# Allegro board HI3516APERB_VER_B_PCB.brd (continued)
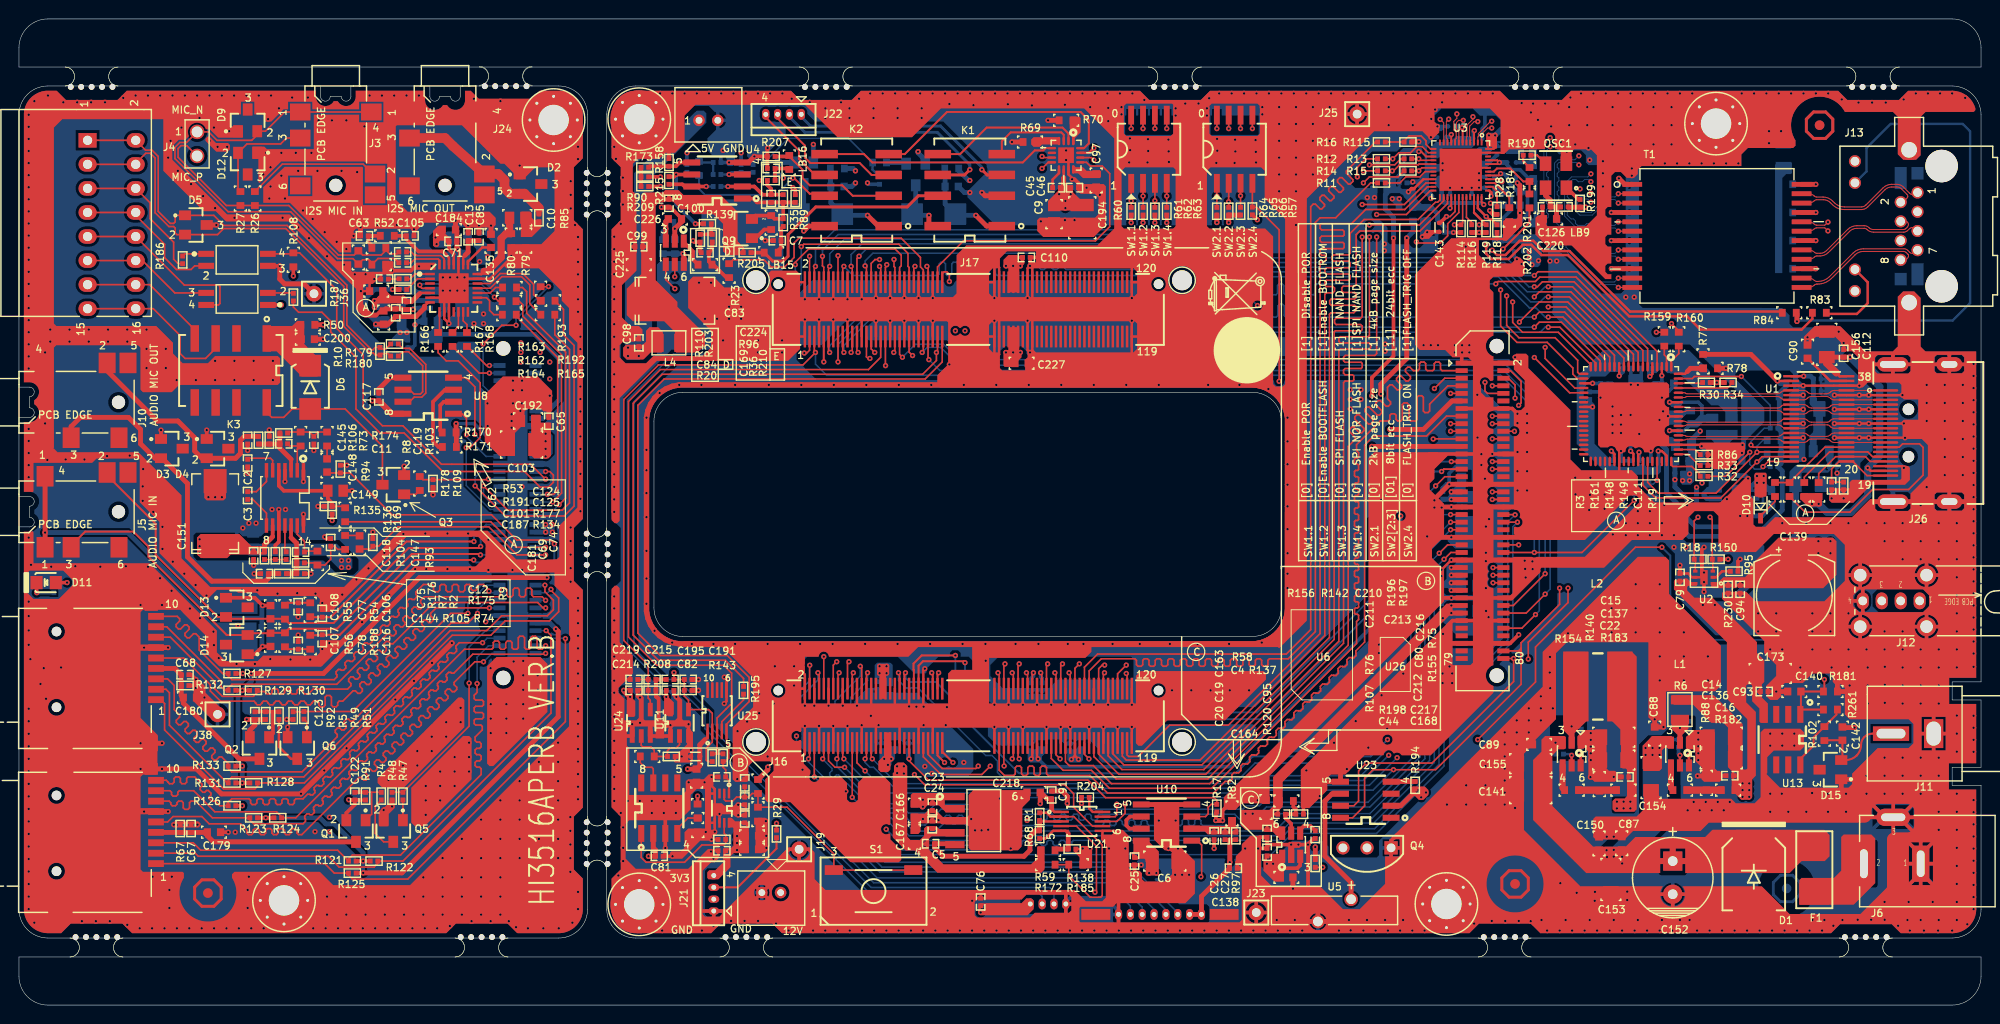
[diagram p0: board, top side]
## Routing (per net, layer and track width the routed paths; a pad name or vN(x,y) marks a point on that pad's centre or on a via; arc(x,y) is an arc through that point) (continued)
VO_DAT7: length 100.5
  TOP w0.165: v1(159.89,77.06) 160.29,77.46 164.43,77.46 172.85,69.04 U22.4 ; v1(84.04,78.02) 83.92,77.9 J17.6
  BOTTOM w0.165: v1(159.89,77.06) 158.82,77.06 156.95,78.92 130.72,78.92 127.76,81.88 86.11,81.88 84.04,79.82 v1(84.04,78.02)
VO_DAT8: length 96.3
  TOP w0.165: v1(159.89,68.4) 163.62,64.67 U22.23 ; v1(90.8,78.02) 90.92,77.9 J17.34
  ART04 w0.165: v1(90.8,78.02) 91.39,77.44 99.19,77.44 105.03,71.6 137.67,71.6 137.83,71.43 137.83,71 138,70.83 138.33,70.83 138.49,71 138.49,71.43 138.66,71.6 138.99,71.6 139.16,71.43 139.16,71 139.32,70.83 139.65,70.83 139.82,71 139.82,71.43 139.98,71.6 140.31,71.6 140.48,71.43 140.48,71 140.64,70.83 140.97,70.83 141.14,71 141.14,71.43 141.3,71.6 141.63,71.6 141.8,71.43 141.8,71 141.96,70.83 142.29,70.83 142.46,71 142.46,71.43 142.62,71.6 142.95,71.6 143.12,71.43 143.12,71 143.28,70.83 143.61,70.83 143.78,71 143.78,71.43 143.94,71.6 144.27,71.6 144.44,71.43 144.44,71 144.6,70.83 144.93,70.83 145.1,71 145.1,71.43 145.26,71.6 145.59,71.6 145.76,71.43 145.76,71 145.92,70.83 146.25,70.83 146.42,71 146.42,71.43 146.58,71.6 146.91,71.6 147.08,71.43 147.08,71 147.25,70.83 147.58,70.83 147.74,71 147.74,71.43 147.91,71.6 148.24,71.6 148.4,71.43 148.4,71 148.57,70.83 148.9,70.83 149.06,71 149.06,71.43 149.23,71.6 149.56,71.6 149.72,71.43 149.72,71 149.89,70.83 150.22,70.83 150.38,71 150.38,71.43 150.55,71.6 150.88,71.6 151.04,71.43 151.04,71 151.21,70.83 151.54,70.83 151.7,71 151.7,71.43 151.87,71.6 152.2,71.6 152.36,71.43 152.36,71 152.53,70.83 152.86,70.83 153.02,71 153.02,71.43 153.19,71.6 153.52,71.6 153.68,71.43 153.68,71 153.85,70.83 154.18,70.83 154.34,71 154.34,71.43 154.51,71.6 156.69,71.6 v1(159.89,68.4)
VO_DAT9/SFC_NAND_BOOT_PIN0: length 102.4
  TOP w0.165: U22.20 164.43,66.17 163.96,66.64 163.96,67.29 161.25,69.99 158.07,69.99 156.34,71.72 v1(156.34,75.53) ; R66.2 v1(128.9,85.47) SW2.3 ; J17.4 v1(83.42,79.09)
  ART04 w0.165: v1(83.42,79.09) 86.72,82.39 105.66,82.39 109.73,86.45 111.63,86.45 113.27,88.09 126.27,88.09 v1(128.9,85.47) 129,85.47 138.94,75.53 v1(156.34,75.53)
VO_DAT10/SFC_NAND_BOOT_PIN1: length 99
  TOP w0.165: J17.16 v1(86.42,79.15) ; R65.2 127.64,84.79 127.64,84.8 v1(127.64,84.84) 127.64,85.37 127.64,85.38 SW2.2 ; v1(156.97,74.9) 156.97,71.78 158.27,70.48 162.08,70.48 164.47,68.1 164.47,66.84 164.63,66.67 U22.19
  ART04 w0.165: v1(86.42,79.15) 89.15,81.88 106.05,81.88 107.7,83.53 111,83.53 115.06,87.6 125.22,87.6 127.64,85.18 v1(127.64,84.84) 137.57,74.9 v1(156.97,74.9)
VO_DAT11/SFC_NAND_BOOT_PIN2: length 105
  TOP w0.165: SW2.1 v1(126.39,85.44) R64.2 ; U22.18 165.85,67.63 162.42,71.06 158.65,71.06 157.61,72.1 v1(157.61,74.26) ; J17.27 89.42,68.46 89.59,68.29 v1(89.79,68.29)
  ART04 w0.165: v1(89.79,68.29) 89.66,68.42 89.66,75.66 90.04,76.04 90.04,79.22 92.2,81.37 110.74,81.37 116.47,87.1 124.73,87.1 v1(126.39,85.44) 126.39,85.16 137.29,74.26 v1(157.61,74.26)
VO_DAT12: length 95.6
  TOP w0.165: v1(87.04,68.93) 86.92,69.05 J17.17 ; U22.17 166.35,67.83 162.58,71.6 v1(161.37,71.6)
  BOTTOM w0.165: v1(161.37,71.6) 161.04,71.6 160.51,71.07 123.02,71.07 122.85,71.23 122.85,72.59 122.69,72.75 122.36,72.75 122.19,72.59 122.19,71.23 122.03,71.07 121.7,71.07 121.53,71.23 121.53,72.59 121.37,72.75 121.04,72.75 120.87,72.59 120.87,71.23 120.71,71.07 120.38,71.07 120.21,71.23 120.21,72.59 120.05,72.75 119.72,72.75 119.55,72.59 119.55,71.4 119.39,71.23 119.03,71.23 118.86,71.4 118.86,72.62 118.48,73.01 90.39,73.01 87.04,69.66 v1(87.04,68.93)
VO_DAT13: length 101.2
  TOP w0.165: J17.15 v1(86.42,67.93) ; U22.16 166.85,68.03 162.76,72.12 160.42,72.12 v1(159.89,71.6)
  BOTTOM w0.165: v1(86.42,67.93) 86.42,69.75 90.17,73.5 123.02,73.5 123.44,73.08 123.44,71.85 123.7,71.6 124.07,71.6 124.23,71.76 124.23,72.95 124.4,73.12 124.73,73.12 124.89,72.95 124.89,71.76 125.06,71.6 125.39,71.6 125.55,71.76 125.55,72.95 125.72,73.12 126.05,73.12 126.21,72.95 126.21,71.76 126.38,71.6 126.71,71.6 126.87,71.76 126.87,72.95 127.04,73.12 127.37,73.12 127.53,72.95 127.53,71.76 127.7,71.6 128.03,71.6 128.19,71.76 128.19,72.95 128.36,73.12 128.69,73.12 128.85,72.95 128.85,71.76 129.02,71.6 v1(159.89,71.6)
VO_DAT14: length 100.1
  TOP w0.165: J17.24 88.42,78.87 v1(88.65,79.09) ; v1(161.37,72.66) 162.92,72.66 167.35,68.23 U22.15
  BOTTOM w0.165: v1(88.65,79.09) 89.46,79.9 110.68,79.9 110.97,79.61 110.97,78.49 111.14,78.33 111.47,78.33 111.63,78.49 111.63,79.61 111.8,79.77 112.13,79.77 112.29,79.61 112.29,78.49 112.46,78.33 112.79,78.33 112.96,78.49 112.96,79.61 113.12,79.77 113.45,79.77 113.62,79.61 113.62,78.49 113.78,78.33 114.11,78.33 114.28,78.49 114.28,79.61 114.44,79.77 114.77,79.77 114.94,79.61 114.94,78.49 115.1,78.33 115.43,78.33 115.6,78.49 115.6,79.61 115.76,79.77 116.09,79.77 116.26,79.61 116.26,78.49 116.42,78.33 116.75,78.33 116.92,78.49 116.92,79.61 117.08,79.77 126.7,79.77 129.54,76.93 156.08,76.93 159.38,73.63 160.07,73.63 161.04,72.66 v1(161.37,72.66)
VO_DAT15: length 99.5
  TOP w0.165: J17.11 85.42,69.05 v1(85.54,68.93) ; v1(159.89,72.66) 160.42,73.19 163.09,73.19 167.85,68.43 U22.14
  BOTTOM w0.165: v1(159.89,72.66) 136.3,72.66 136.14,72.83 136.14,73.84 135.97,74.01 135.64,74.01 135.48,73.84 135.48,72.83 135.31,72.66 134.98,72.66 134.82,72.83 134.82,73.84 134.65,74.01 134.32,74.01 134.16,73.84 134.16,72.83 133.99,72.66 133.66,72.66 133.5,72.83 133.5,73.84 133.33,74.01 133,74.01 132.84,73.84 132.84,72.83 132.67,72.66 132.34,72.66 132.18,72.83 132.18,73.84 132.01,74.01 131.68,74.01 131.52,73.84 131.52,72.83 131.35,72.66 130.3,72.66 129.08,73.88 123.34,73.88 123.23,74 89.9,74 85.54,69.63 v1(85.54,68.93)
WDG_RSTN/SYS_RSTN_OUT: length 88.4
  TOP w0.165: U26.1 74.92,23.75 C213.1 74.57,24.83 74.3,25.11 R197.1 74.53,25.72 74.89,26.08 74.89,27.44 74.66,27.67 U25.5 74.66,29.67 77.04,32.05 77.04,34.61 74.73,36.92 67.66,36.92 65.3,39.28 65.3,63.34 68.09,66.13 95.62,66.13 97.42,67.92 97.42,70.26 97.42,70.26 J17.59
$5N44: length 1.1
  BOTTOM w0.254: R25.2 C121.1
$5N45: length 2
  TOP w0.254: U15.6 v1(164.78,26.38)
  BOTTOM w0.254: v1(164.78,26.38) 164.85,26.44 R25.1
$5N46: length 1.2
  BOTTOM w0.254: C121.2 164.36,29.97 v1(163.83,29.43)
$5N48: length 2
  TOP w0.254: U15.5 v1(163.83,26.38)
  BOTTOM w0.254: R72.2 163.7,26.51 v1(163.83,26.38)
$5N84: length 2.7
  TOP w0.635: U15.4 162.88,22.91 R154.1
$5N261: length 2.7
  TOP w0.635: R6.1 174.31,22.91 U9.4
$5N264: length 2
  TOP w0.254: U9.5 v1(175.26,26.38)
  BOTTOM w0.381: v1(175.26,26.38) 175.11,26.53 R71.2
$5N266: length 2.2
  TOP w0.508: L1.1 v1(175.26,29.28)
  BOTTOM w0.254: v1(175.26,29.28) 175.95,29.97 C120.2
$5N267: length 2
  TOP w0.254: U9.6 v1(176.21,26.38)
  BOTTOM w0.254: v1(176.21,26.38) 176.28,26.44 R24.1
$5N268: length 1.1
  BOTTOM w0.254: C120.1 R24.2
$5N279: length 2.6
  BOTTOM w0.254: 177.63,52.56 177.38,52.82 ; 177.63,52.56 U18.4 ; 177.63,52.56 177.38,52.82 ; 177.38,52.82 C92.1
$5N327: length 4.8
  TOP w0.381: U20.5 134.24,19.14 133.63,19.75 C4.2 R137.1 134.72,20.69 134.47,20.95 R58.2
$5N334: length 2.3
  TOP w0.381: C95.1 136.28,18.91 135.57,18.91 135.19,18.53 U20.4
$6N882: length 4
  TOP w0.381: U10.6 117.22,19.91 116.84,19.53 116.84,18.97 117.17,18.64 U10.7
$6N887: length 26
  TOP w0.165: U21.4 111.57,18.9 113.69,16.78 113.69,12.07 v1(113.54,11.91) ; U10.1 124.33,17.37 124.79,16.91 124.79,13.63 v1(124.71,13.56)
  ART03 w0.165: v1(113.54,11.91) 123.07,11.91 v1(124.71,13.56)
$6N893: length 6.6
  TOP w0.254: 110.72,18.1 110.42,18.4 U21.5 109.11,18.4 108.31,17.6 R68.2
  TOP w0.508: 110.72,18.1 R138.1 109.45,16.48 R59.2
$6N897: length 20.5
  TOP w0.165: R172.2 R185.1 110.77,13.66 113.04,11.39 114.13,11.39 114.3,11.55 114.3,16.91 111.31,19.9 U21.2
  TOP w0.254: U21.2 108.85,19.9 108.43,20.31 R1.2
$6N913: length 19.5
  TOP w0.254: R1.1 107.8,19.4 U21.3
  TOP w0.508: R1.1 R68.1 107.25,18.41 106.68,17.84 106.68,16.35 106.05,15.72 97.54,15.72 96.6,16.66 C5.2 98.65,17.04 U19.5
$6N990: length 2.7
  TOP w0.254: U21.10 113.3,20.4 112.93,20.77 R204.1
$7N571: length 2.2
  TOP w0.165: SW2.8 v1(126.39,92.57)
  BOTTOM w0.165: R37.1 v1(126.39,92.57)
$7N573: length 2.2
  TOP w0.165: SW2.6 v1(128.9,92.57)
  BOTTOM w0.165: R38.1 v1(128.9,92.57)
$7N577: length 2.2
  TOP w0.165: SW2.7 v1(127.64,92.57)
  BOTTOM w0.165: R40.1 v1(127.64,92.57)
$7N580: length 2.2
  TOP w0.165: SW2.5 v1(130.15,92.57)
  BOTTOM w0.165: R39.1 v1(130.15,92.57)
$7N585: length 2.2
  TOP w0.165: SW1.5 v1(121.11,92.57)
  BOTTOM w0.165: R41.1 v1(121.11,92.57)
$7N588: length 2.2
  TOP w0.165: SW1.6 v1(119.86,92.57)
  BOTTOM w0.165: R44.1 v1(119.86,92.57)
$7N590: length 2.2
  TOP w0.165: SW1.7 v1(118.61,92.57)
  BOTTOM w0.165: R42.1 v1(118.61,92.57)
$7N591: length 2.2
  TOP w0.165: SW1.8 v1(117.36,92.57)
  BOTTOM w0.165: R43.1 v1(117.36,92.57)
$8N612: length 2.1
  TOP w0.254: U2.2 179.07,45.18 179.71,45.81 R95.1
$9N415: length 4.1
  TOP w0.203: 155.7,90.52 155.61,90.42 U3.48 155.01,90.72 155.07,90.77
  BOTTOM w0.559: L3.1 156.35,92.44 v1(155.77,91.85) v1(155.11,91.85)
$9N436: length 5.6
  TOP w0.165: R11.2 145.71,86.84 146.34,87.47 147.83,87.47 148.38,88.02 U3.19
$9N438: length 3.9
  TOP w0.203: R184.1 157.25,85.29 155.71,86.82 U3.39
$9N480: length 3.9
  TOP w0.254: 189.57,86.68 v1(189.6,86.68)
  TOP w0.508: T1.24 189.57,86.68
  BOTTOM w0.381: R98.1 v1(189.6,86.68)
$9N481: length 3.9
  TOP w0.508: v1(189.6,83.71) T1.21
  BOTTOM w0.381: R99.1 v1(189.6,83.71)
$9N482: length 3.9
  TOP w0.254: 189.57,80.74 v1(189.6,80.74)
  TOP w0.508: T1.18 189.57,80.74
  BOTTOM w0.381: R100.1 v1(189.6,80.74)
$9N483: length 3.9
  TOP w0.254: 189.57,77.77 v1(189.6,77.77)
  TOP w0.508: T1.15 189.57,77.77
  BOTTOM w0.381: R101.1 v1(189.6,77.77)
$9N568: length 54.6
  TOP w0.508: v1(187.6,72.21) 187.6,73.04 R84.2
  BOTTOM w0.254: v1(187.6,72.21) 187.71,72.31 204.04,72.31 205.87,74.14 205.87,92.3 205.1,93.06 197.49,93.06 194.94,90.52 194.94,88.06 J13.14
$9N874: length 25.3
  TOP w0.508: T1.10 v1(168.02,77.77) ; v1(168.02,80.74) T1.7 ; T1.1 169.44,86.68 v1(168.81,87.31) ; v1(168.02,83.71) T1.4
  ART03 w0.508: v1(168.02,80.74) 168.81,80.74 ; 168.81,80.74 169.54,81.48 169.54,83.03 168.86,83.71 ; 168.81,80.74 169.49,80.06 169.49,78.36 168.91,77.77 v1(168.02,77.77) ; 168.86,83.71 168.94,83.71 169.54,84.32 169.54,86.58 v1(168.81,87.31) ; 168.86,83.71 v1(168.02,83.71)
  BOTTOM w0.381: v1(168.81,87.31) 168.82,87.31 C41.1 ; C42.1 168.02,80.74 v1(168.02,80.74) ; C40.1 v1(168.02,83.71) ; C39.1 v1(168.02,77.77)
$9N898: length 9
  TOP w0.254: J13.15 195.07,76.34 195.07,74.14 193.93,72.99 190.83,72.99 R83.2
$9N900: length 4.6
  TOP w0.508: OSC1.4 161.08,85.52 161.57,85.03 C126.1 162.31,84.3 ; C220.1 162.24,84.23 162.31,84.3 ; 162.31,84.3 LB9.1
$9N902: length 2
  TOP w0.381: OSC1.1 163.32,86.33 164.57,85.08 R199.2
$9N911: length 1.9
  TOP w0.203: OSC1.3 160.19,89.76 R190.1
$9N912: length 1.6
  TOP w0.203: R201.1 158.72,89.12 R190.2
$9N916: length 6.4
  TOP w0.203: U3.42 155.62,88.02 155.96,88.36 157.35,88.36 158.72,86.99 R201.2 R202.2
$10N147: length 9.5
  TOP w0.203: R29.2 79.93,16.53 75.84,12.43 J21.3
$11N424: length 7.5
  TOP w0.203: U13.8 187.96,26 189.36,27.4 189.36,28.26 R102.1 191.77,30.68 191.77,31.11 R261.2
$11N446: length 3.1
  TOP w0.165: R107.2 R76.1 70.59,19.75 69.47,18.64 U6.4
$11N448: length 3.8
  TOP w0.165: R156.1 65.56,25.6 66.04,25.11 66.78,25.11 66.93,24.96 U6.7
$11N450: length 27.3
  TOP w0.165: C80.1 76.99,21.96 77.37,22.35 R75.1 R155.2 81.05,20.9 85.98,15.97 S1.3 S1.4 ; C80.1 75.72,21.96 75.31,21.56 74.57,21.56 74.42,21.71 U26.2 ; C80.1 C216.1
$11N496: length 7.7
  TOP w0.165: U24.2 65.66,27.43 65.81,27.27 66.67,27.27 67.03,26.92 R156.2 R142.2 68.43,26.87 68.71,27.15 69.34,27.15 69.7,27.5 U11.2
$11N555: length 14.7
  TOP w0.165: 65.66,18.13 65.66,15.59 66.17,15.08 70.23,15.08 72.06,16.91 74.35,16.91 74.57,17.14 R198.2 74.57,17.98 74.42,18.13 U26.7
$11N593: length 4.9
  TOP w0.165: U25.4 74.16,29.93 76.45,32.23 R195.1
$12N344: length 2.2
  TOP w0.254: U16.9 109.74,87.86 109.07,87.19 C45.1
$12N401: length 2.1
  BOTTOM w0.508: 93.6,88.87 93.47,88.99 R144.2
$12N421: length 7.1
  TOP w0.508: K1.8 96.01,82.27 v1(96.01,83.41)
  BOTTOM w0.508: Q7.3 94.61,83.91 D7.1 94.36,83.41 v1(96.01,83.41)
$12N423: length 10.7
  TOP w0.508: K1.1 102.1,82.27 v1(100.97,83.41)
  BOTTOM w0.508: v1(100.97,83.41) 98.93,83.41 D7.2 97.73,84.61 C133.1 97.73,88.32 R21.2
$12N450: length 7.8
  TOP w0.508: K2.8 83.32,82.27 v1(82.8,81.76)
  BOTTOM w0.508: v1(82.8,81.76) 82.8,83.03 D8.1 82.8,84.04 Q8.3
$12N451: length 10.8
  TOP w0.508: v1(89.53,83.41) 90.67,82.27 K2.1
  BOTTOM w0.508: R22.2 85.62,86.49 C134.1 85.66,84.74 D8.2 87,83.41 v1(89.53,83.41)
$12N476: length 1.7
  BOTTOM w0.508: R145.2 Q8.1
$12N864: length 8.6
  TOP w0.381: R96.2 78.97,86.61 79.38,86.2 C169.1 ; C169.1 78.46,85.59 77.6,86.45 U4.2 v1(74.8,86.45) ; C169.1 R36.1
  BOTTOM w0.254: R213.2 v1(74.8,86.45)
$12N866: length 4.8
  TOP w0.381: v1(72.52,86.45) U4.7 70.23,86.45 70,86.68 R215.2
  BOTTOM w0.254: R213.1 v1(72.52,86.45)
$12N868: length 5
  TOP w0.381: R23.2 74.65,76.83 73.28,78.2 R20.2 72.8,78.53 C84.1 73.15,79.83 R203.1
$12N937: length 3.1
  TOP w0.381: U27.1 70.15,80.57 71.12,79.6 71.12,78.73 R20.1
$12N939: length 9.4
  TOP w0.381: R139.2 v1(71.37,82.52) ; 70.99,87.72 v1(69.34,87.72) 69.11,87.5 R215.1
  BOTTOM w0.381: v1(69.34,87.72) 69.34,84.55 v1(71.37,82.52)
$12N950: length 2
  TOP w0.381: R209.2 R90.1 R173.1
$12N953: length 2.4
  TOP w0.381: R139.1 73.05,81.5 R203.2 R110.1
$12N954: length 4.8
  TOP w0.381: U4.5 69.72,88.99 69.32,88.59 R158.1 66.55,88.59 R173.2
$12N956: length 3.3
  TOP w0.508: v1(70.08,79.37) 70.15,79.3 U27.6
  BOTTOM w0.508: v1(70.08,79.37) R212.1 R211.2
$12N962: length 2.8
  BOTTOM w0.254: R141.1 C223.1 71.86,88.99 LB14.1
$12N967: length 2.4
  TOP w0.381: R35.2 78.64,81.91 77.72,80.99 Q9.1
$12N972: length 4.9
  TOP w0.381: 76.33,87.72 v1(74.93,87.72)
  BOTTOM w0.254: R141.2 v1(74.93,87.72) 75.16,87.95 R214.2 R157.1
$12N974: length 2.8
  TOP w0.381: R96.1 C224.1 81.18,88.36 LB16.1
$12N979: length 11.1
  TOP w0.381: Q9.2 77.7,83.38 R35.1 79.71,83.05 R89.1 R36.2 ; U4.1 77.47,85.18 77.88,84.78 C169.2 R36.2 ; R36.2 R210.1
$13N641: length 5.9
  TOP w0.165: U22.69 180.26,65.17 180.75,65.65 R34.1
$13N642: length 2.5
  TOP w0.165: U22.56 176.86,58.67 R86.2
$13N661: length 4
  TOP w0.165: R32.1 177.39,56 176.51,56.89 174.5,56.89 174.35,57.04 U22.54
$13N662: length 2.6
  TOP w0.165: U22.70 177.56,65.67 R30.1
$13N663: length 2.8
  TOP w0.165: U22.55 176.11,58.17 177.29,56.99 R33.1
$13N666: length 2.9
  TOP w0.254: 176.03,66.91 175.79,66.67 U22.72
  TOP w0.508: 176.03,66.91 176.38,67.25 R77.1 R78.2
$13N672: length 4.6
  TOP w0.165: U22.51 v1(172.85,55.43)
  BOTTOM w0.165: v1(172.85,55.43) 172.45,55.02 C1.1 170.6,55.02 R31.2
$13N751: length 2.5
  TOP w0.165: R160.1 175.13,68.8 174.35,68.02 U22.1
$13N752: length 2.3
  TOP w0.165: R159.1 173.61,68.67 173.85,68.44 U22.2
$14N211: length 5.1
  TOP w0.254: U1.37 191.12,65.92 C90.1
$14N216: length 2.9
  TOP w0.165: R3.2 185.29,53.18 183.77,51.66 D10.1
$14N239: length 23.6
  TOP w0.165: J26.13 198.4,58.92 198.75,59.28 200.53,59.28 200.91,58.9 200.91,55.97 199.39,54.45 195.58,54.45 193.19,52.06 188.47,52.06 R161.1
$15N757: length 13.5
  TOP w0.508: U5.1 140.56,12.95 137.79,15.72 137.79,21.56 138.56,22.32 U23.6
$15N768: length 2.6
  TOP w0.508: U23.4 144.81,23.62 R194.2
$19N1026: length 2.9
  TOP w0.381: D11.2 1.85,43.58 v1(1.88,43.55)
  BOTTOM w0.381: R200.1 v1(1.88,43.55)
$20N399: length 21.7
  TOP w0.508: Q1.3 20.51,17.24 19.88,17.87 C179.1 19.86,18.24 C67.1 R67.1 J1.4
$20N434: length 6
  TOP w0.165: 37.21,22.47 R4.1 ; 37.21,22.47 37.21,20.16 Q1.1 ; 37.21,22.47 R91.2
  TOP w0.381: C122.2 R91.2
$20N436: length 2.1
  TOP w0.165: R47.2 Q5.1
$20N437: length 6.1
  TOP w0.165: Q5.3 38.48,17.24 37.59,18.13 37.59,21.02 R4.2
$20N540: length 16.5
  TOP w0.508: Q2.3 23.24,26 17.34,31.91 C180.1 17.12,32.7 R132.1 C68.1 16.46,35.55 J2.4
$20N553: length 5.4
  TOP w0.381: 26.8,30.98 26.8,28.7 Q2.1 ; 26.8,30.98 R92.2 C123.2 ; 26.8,30.98 R5.1
$20N554: length 2
  TOP w0.165: Q6.1 30.38,29.89 R51.2
$20N555: length 5.4
  TOP w0.254: R5.2 27.43,27.27 28.7,26 Q6.3
$21N21: length 1.1
  TOP w0.165: C101.1 40.08,76.68 R177.2
$21N25: length 2.7
  TOP w0.165: R177.1 41.27,76.7 41.78,77.21 U17.1
$21N126: length 2.9
  TOP w0.165: R134.2 42.05,76.71 U17.2
$21N132: length 3.4
  TOP w0.254: U17.22 47.37,78.51 48.88,80.02 C135.1
$21N380: length 4.9
  TOP w0.165: C124.2 41.38,79.55 41.71,79.22 41.93,79.22 41.98,79.16 44.52,79.16 44.87,78.81 U17.27
$21N382: length 4.2
  TOP w0.165: C125.2 41.38,78.4 41.78,78.8 44.25,78.8 44.37,78.67 U17.28
$21N394: length 10.8
  TOP w0.165: v1(42.29,76.04) 42.29,75.91 42.49,75.71 U17.4 ; R162.1 50.6,74.34 v1(50.16,74.77)
  BOTTOM w0.165: v1(50.16,74.77) 48.77,76.17 42.42,76.17 v1(42.29,76.04)
$21N396: length 2.9
  TOP w0.165: U17.17 49.72,75.21 50.29,75.79 R163.1
$21N398: length 4
  TOP w0.165: R164.1 50.11,72.92 49.66,73.37 49.66,74.39 49.34,74.71 U17.16
$21N400: length 10
  TOP w0.165: R165.1 53.9,74.09 53.9,76.07 53.04,76.93 50.95,76.93 49.73,75.71 U17.18
$21N402: length 2.2
  TOP w0.165: U17.8 44.37,71.19 R166.1
$21N407: length 3.9
  TOP w0.254: 47.07,79.19 46.87,79 U17.23
  TOP w0.508: 47.07,79.19 47.4,79.52 C13.1 C85.1
$21N418: length 2.4
  TOP w0.165: U17.12 46.37,71.66 R167.1
$21N420: length 2.3
  TOP w0.165: U17.13 46.87,72.27 47.27,71.88 R168.1
$21N474: length 8.3
  TOP w0.254: 49.09,77.5 48.8,77.21 U17.21
  TOP w0.762: C10.1 51.77,81.65 R80.1 51.39,81.48 50.88,80.96 50.88,78.96 49.42,77.5 49.09,77.5
$21N503: length 11.4
  TOP w0.165: J3.3 28.23,91.57 27.61,90.95 24.05,90.95 D12.2 23.11,86.18 R27.1
$21N532: length 2.7
  TOP w0.381: R52.1 C63.1 36.86,80.59 37.24,80.21 R53.1
$21N540: length 9
  TOP w0.165: U17.19 49.73,76.21 50.78,77.26 53.17,77.26 54.31,76.13 54.31,75.02 R193.1 R192.1
$21N596: length 17.7
  TOP w0.508: 54.86,84.17 R85.1
  TOP w1.016: 54.86,84.17 53.34,85.69 D2.2 51.82,85.69 51.23,86.28 51.23,87.12 50.57,87.77 J24.2 45.8,90.72 44.95,91.57 J24.3
$21N612: length 14.3
  TOP w0.165: R26.1 27.79,88.82 36.32,88.82 37.37,87.77 J3.2
$22N273: length 10.3
  TOP w0.165: R135.1 34.26,52.67 R169.2
  TOP w0.381: U7.5 27.42,54.85 27.94,54.32 C149.1 32.59,53.49 33.05,53.03 R135.1
$22N275: length 1.5
  TOP w0.165: C147.1 35.9,49.6 R104.2
$22N277: length 6.1
  TOP w0.165: R175.2 31.27,46.7 R9.2 32.28,46.48 32.89,47.08 C118.1 33.3,48.46 33.63,48.13 R104.1
$22N278: length 6.4
  TOP w0.381: U7.12 28.72,49.36
  TOP w0.508: R105.1 R74.1 R175.1 C12.1 29.31,48.77 28.72,49.36
$22N286: length 3.6
  TOP w0.165: U7.7 26.12,55.3 25.04,54.22 C3.1
$22N288: length 1.4
  TOP w0.165: C148.2 R103.1
$22N289: length 4.2
  TOP w0.165: U7.2 29.37,58.7 R8.2 28.57,59.05 C11.1
$22N290: length 6.7
  TOP w0.381: 28.72,57.64 U7.3
  TOP w0.508: 28.72,57.64 27.53,58.82 C11.2 ; R106.2 R73.1 27.51,59.25 C11.2 ; C11.2 R174.2
$22N292: length 3.8
  TOP w0.165: C2.2 24.23,57.75 26.54,57.75 26.77,57.53 U7.6
$22N293: length 2.8
  TOP w0.165: U7.11 28.07,48 R2.1
$22N298: length 3.9
  TOP w0.165: C3.2 24.66,53.41 26.12,51.96 U7.8
$22N300: length 4.6
  TOP w0.165: R174.1 28.45,60.52 R8.1 30.66,60.52 C119.1 31.57,60.52 R103.2
$22N304: length 2.3
  TOP w0.165: R2.2 R7.2 R176.1
$22N309: length 4.5
  TOP w0.165: U7.13 29.37,49.72 30.12,48.96 C12.2 30.23,47.95 R9.1
$22N453: length 46.3
  TOP w0.381: C108.2 v1(25.7,42.2) 24.88,43.02 D13.1 ; C107.2 v1(25.7,37.88) 24.88,37.05 D14.1
  TOP w0.508: J5.1 v1(2.75,49.9) J5.4
  BOTTOM w0.508: v1(25.7,42.2) 25.63,42.12 25.63,40.86 ; 25.63,40.86 20.52,40.86 11.48,49.9 v1(2.75,49.9) ; 25.63,40.86 R189.1 25.63,37.95 v1(25.7,37.88)
$22N583: length 2.8
  TOP w0.203: R55.1 28.32,42.49 C77.1 R54.1
$22N609: length 2.8
  TOP w0.203: R188.1 C78.1 28.32,37.59 R56.1
$23N945: length 8.5
  TOP w0.165: R180.1 40.48,69 41.12,69 42.6,67.52 42.6,64.77 42.36,64.53 41.68,64.53 41.22,64.99 U8.6
$23N947: length 8.1
  TOP w0.381: R171.2 44.27,58.95 43.69,59.53 43.69,63.72 44.96,64.99 U8.3
$23N948: length 4.5
  TOP w0.381: R170.2 44.45,60.67 44.45,63.34 44.83,63.72 U8.2
$23N961: length 9.6
  TOP w0.165: U8.7 41.22,63.72 41.71,64.2 42.49,64.2 42.93,64.64 42.93,67.66 41.22,69.36 40.49,69.36 R179.1
$23N1102: length 2.6
  TOP w0.165: U12.1 17.5,79.34 R186.1
$23N1262: length 2.7
  TOP w0.165: R187.1 28.92,75.22 U14.2
$23N1280: length 1.8
  TOP w0.165: Q3.1 41.88,53.94 R178.2
$23N1297: length 19.5
  TOP w0.165: K3.8 26.15,62.59 26.67,62.07 27.94,62.07 28.83,62.96 D6.1 34.42,62.96 38.35,59.02 Q3.3

## Copper pours and planes (outline as drawn; the poured copper is in the pictures)
1V2_SII9022A on BOTTOM (solid shape): 181.31,60.67 181.31,59.86 181.25,59.81 180.91,59.81 180.57,59.47 180.57,59.2 180.57,58.34 180.57,55.59 179.68,54.7 179.68,54.15 178.28,54.15 178.28,55.26 178.61,55.59 180.34,55.59 180.34,55.85 180.09,55.85 180.09,55.59 178.61,55.59 178.84,55.82 178.84,55.97 180.34,55.97 180.34,56.36 180.09,56.36 180.09,55.97 178.84,55.97 178.84,58.34 178.84,58.51 180.21,58.51 180.21,58.77 179.96,58.77 179.96,58.51 179.45,58.51 179.45,58.77 179.2,58.77 179.2,58.51 178.84,58.51 178.84,59.02 180.21,59.02 180.21,59.28 179.96,59.28 179.96,59.02 179.45,59.02 179.45,59.28 179.2,59.28 179.2,59.02 178.84,59.02 178.84,59.46 178.5,59.81 178.1,59.81 178.05,59.86 178.05,60.67 178.1,60.72 181.25,60.72
1V2D_SII9022A on BOTTOM (solid shape): outline of 184 points within 164.36,56.01 181.33,69.19
1V05_PHY on BOTTOM (solid shape): 156.84,90.9 158.75,90.9 158.75,89.88 156.97,89.88 156.34,90.52 155.7,90.52 154.94,89.76 154.05,89.76 153.42,89.12 153.42,87.09 153.29,86.96 152.65,86.96 152.53,87.09 152.53,90.01 152.65,90.14 153.54,90.14 154.05,90.65 154.81,90.65 154.94,90.77 156.34,90.77 156.34,91.03 156.08,91.03 156.08,90.77 155.83,90.77 155.83,91.03 155.57,91.03 155.57,90.77 154.94,90.77 155.45,91.28 156.46,91.28
1V05A_PHY on BOTTOM (solid shape): 153.03,91.66 153.03,91.15 153.16,91.03 153.67,91.03 153.67,90.9 153.29,90.52 150.24,90.52 150.11,90.39 150.11,90.26 150.24,90.14 151.64,90.14 151.76,90.01 151.76,88.87 150.88,88.87 150.74,89 150.74,89.02 150.59,89.28 150.33,89.43 150.31,89.43 150.24,89.5 149.1,89.5 148.97,89.63 148.97,90.65 149.48,91.15 151,91.15 151.64,91.79 152.91,91.79
1V05D_PHY on BOTTOM (solid shape): 151.76,88.11 151.76,87.09 151.64,86.96 150.62,86.96 150.37,86.71 150.37,85.18 150.62,84.93 154.18,84.93 154.18,84.69 154.16,84.64 154.16,84.61 154.15,84.55 151.16,84.55 151.13,84.56 151,84.58 150.87,84.55 150.86,84.55 150.24,84.55 149.86,84.93 149.86,86.2 149.48,86.58 149.48,87.34 149.73,87.6 150.62,87.6 150.88,87.85 150.88,88.11 151,88.23 151.64,88.23
1V8 on TOP (solid shape): 151.26,41.5 133.34,23.58 133.34,20.94 132.97,20.57 132.97,20.03 132.46,20.03 132.36,19.93 132.36,19.53 133.05,18.84 133.5,18.84 133.59,18.75 133.59,17.47 133.1,17.47 133.1,17.49 132.31,18.28 132.28,18.28 132.28,18.31 131.38,18.31 131.17,18.51 129.41,18.51 129.29,18.64 132.08,18.64 132.08,18.89 131.83,18.89 131.83,18.64 131.57,18.64 131.57,18.89 131.32,18.89 131.32,18.64 129.29,18.64 128.91,19.02 128.91,20.29 132.72,20.29 132.72,20.54 132.46,20.54 132.46,20.29 128.91,20.29 128.91,20.54 128.98,20.62 131.95,20.62 132.33,21 132.33,24.1 150.62,42.39 151.26,42.39
1V8 on BOTTOM (solid shape): 112.52,26.64 112.39,26.64 112.27,26.51 112.27,25.88 112.01,25.62 110.87,25.62 110.62,25.88 110.62,26.89 110.74,27.02 111.51,27.02 111.76,27.27 112.52,27.27
1V8 on BOTTOM (solid shape): 152.65,40.61 152.91,40.35 154.18,40.35 154.18,39.08 151.64,39.08 149.86,40.86 149.86,41.75 150.62,41.75 150.88,42 150.88,42.26 152.65,42.26
1V8 on ART04 (solid shape): 112.14,26.13 112.14,23.97 115.95,20.16 117.6,20.16 119,21.56 129.67,21.56 130.43,20.8 130.43,20.03 130.3,19.91 127.33,19.91 127.01,20.02 126.69,19.92 126.67,19.91 126.62,19.91 126.6,19.92 126.28,20.02 125.96,19.91 122.38,19.91 122.05,20.02 121.72,19.91 120.6,19.91 120.27,20.02 119.94,19.91 119.63,19.91 118.49,18.76 115.32,18.76 112.63,21.45 112.62,21.47 112.49,21.68 112.28,21.81 112.27,21.81 110.74,23.34 110.74,26.13 110.87,26.26 112.01,26.26
1V8_C on BOTTOM (solid shape): 44.7,72.36 44.7,70.07 44.58,69.94 42.42,69.94 42.29,70.07 42.29,70.96 42.42,71.09 43.31,71.09 43.81,71.6 43.81,72.61 44.45,72.61
3V3 on TOP (solid shape): 184.4,56.1 184.4,53.82 184.28,53.69 183.26,53.69 183.13,53.82 183.13,56.1 183.26,56.23 184.28,56.23
3V3 on TOP (solid shape): 68.58,32.61 68.58,32.48 69.09,31.97 69.09,30.7 68.96,30.57 68.2,30.57 68.07,30.7 68.07,32.71 68.48,32.71
3V3 on TOP (solid shape): 111.23,85.85 112.01,85.06 113.16,85.06 113.16,84.3 112.78,83.91 108.84,83.91 108.58,84.17 108.58,84.92 109.64,85.98 109.64,86.58 111.23,86.58
3V3 on TOP (solid shape): 105.41,78.45 105.92,78.45 105.92,77.95 105.79,77.82 105.54,77.82 105.54,75.28 104.39,75.28 104.39,77.82 104.01,77.82 103.89,77.95 103.89,78.71 104.39,79.22 105.41,79.22
3V3 on TOP (solid shape): 105.54,69.18 105.66,69.18 105.79,69.06 105.79,68.42 105.41,68.04 105.41,67.4 104.01,67.4 103.89,67.53 103.89,69.06 104.01,69.18 104.39,69.18 104.39,71.6 105.54,71.6